# Altium PCB Core.PcbDoc (part 2 of 5)
Units mil, origin at the board's own origin, x right, y up, seen from the top; angles counter-clockwise.
Board outline 1181.1 x 1574.8 mil, 6 copper layers (Top Layer, GND2, SIG3, PWR4, GND5, Bottom Layer), stack 29.356 mil thick; 139 components, 179 nets, 1165 pads, 477 vias.
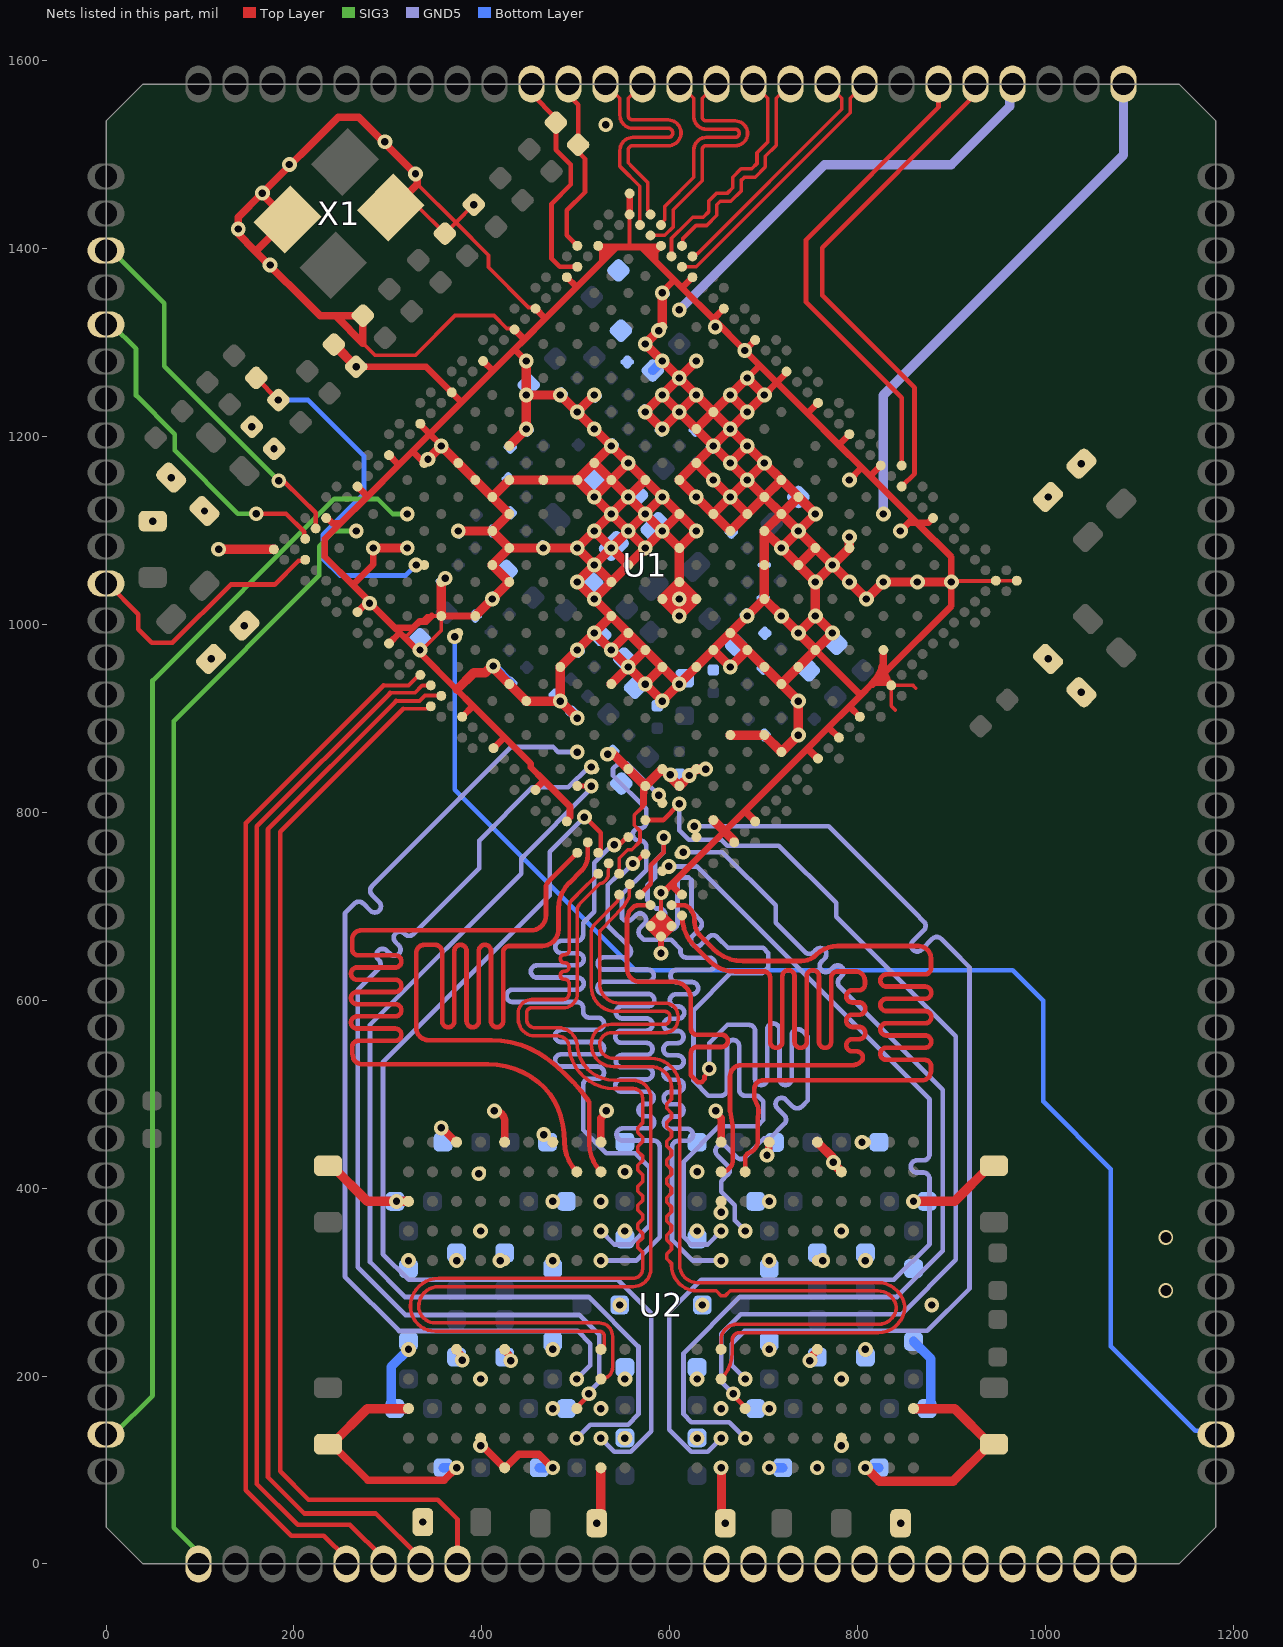
[diagram p6: the nets of this part, all layers, seen from the top]

## Via types
v1: diameter 15.75, hole 7.87, Top Layer to Bottom Layer, tented both sides, 475 vias
v2: diameter 15.75, hole 11.81, Top Layer to Bottom Layer, tented both sides, 2 vias

## Nets (pads, with @x,y where several pads share a name; then routed paths per layer and width w, separated by ;. In a path a pad name is that pad's centre, name@x,y a point inside that pad or via, vN(x,y) a via of type N, cw(c..) or ccw(c..) an arc to the next point about the centre after c; other vN are vias at no path point) (continued)
GND: C1.1 C2.1 C3.1 C4.1 C5.1 C6.1 C7.1 C8.1 C9.2 C10.1 C11.1 C12.1 C13.1 C14.1 C15.1 C16.1 C17.1 C18.2 C19.1 C20.1 C21.1 C22.1 C23.1 C24.2 C25.1 C26.1 C27.1 C28.1 C29.1 C30.1 C31.1 C32.1 C33.1 C34.1 C35.1 C36.1 C37.1 C38.1 C39.1 C40.1 C41.1 C42.1 C43.1 C44.1 C45.1 C46.2 C47.2 C48.2 C49.1 C50.1 C51.1 C52.1 C53.1 C54.1 C55.1 C56.1 C57.2 C58.1 C59.1 C60.1 C61.1 C62.1 C63.1 C64.1 C65.1 C66.1 C67.1 C68.1 C69.1 C70.1 C71.1 C72.1 C73.1 C74.1 C75.1 C76.1 C77.1 C78.1 C79.1 C80.1 C81.1 C82.1 C83.1 C84.1 C85.1 C86.1 C87.1 C88.1 C89.1 C90.1 C91.1 C92.1 C93.1 C94.1 C95.1 C96.1 C97.1 C98.1 C99.1 C100.1 C101.1 C102.1 C103.1 C104.1 C105.1 C106.1 C107.1 C108.1 C109.1 C110.1 C111.1 C112.1 C113.1 C114.1 C115.1 C116.1 C117.1 C118.1 C119.1 C120.1 C121.1 C122.2 pad.71@807.09,0 pad.77 pad.78 pad.79 pad.80 pad.82 pad.83 pad.84 pad.85 pad.86 pad.87 pad.88 R7.2 R15.1 U1.1B10 U1.1B11 U1.1B15 U1.1B19 U1.1C4 U1.1C5 U1.1C6 U1.1C8 U1.1C9 U1.1C14 U1.1C16 U1.1C18 U1.1D1 U1.1D3 U1.1D4 U1.1D10 U1.1D14 U1.1E3 U1.1E8 U1.1E10 U1.1E14 U1.1E15 U1.1E17 U1.1F6 U1.1F7 U1.1F8 U1.1F9 U1.1F10 U1.1F15 U1.1F16 U1.1F20 U1.1G3 U1.1G6 U1.1G7 U1.1G8 U1.1G9 U1.1G10 U1.1G11 U1.1G12 U1.1G14 U1.1G16 U1.1G17 U1.1G18 U1.1G19 U1.1G20 U1.1H1 U1.1H2 U1.1H6 U1.1H11 U1.1H12 U1.1H13 U1.1H17 U1.1J1 U1.1J5 U1.1J6 U1.1J8 U1.1J9 U1.1J11 U1.1J12 U1.1J13 U1.1J16 U1.1J18 U1.1K2 U1.1K3 U1.1K4 U1.1K5 U1.1K6 U1.1K8 U1.1K9 U1.1K11 U1.1K12 U1.1K13 U1.1K14 U1.1K15 U1.1K18 U1.1L3 U1.1L6 U1.1L10 U1.1L11 U1.1L12 U1.1L13 U1.1L14 U1.1L15 U1.1L19 U1.1M3 U1.1M4 U1.1M5 U1.1M6 U1.1M10 U1.1M11 U1.1M12 U1.1M13 U1.1M14 U1.1M15 U1.1M16 U1.1M17 U1.1M18 U1.1M20 U1.1N3 U1.1N4 U1.1N7 U1.1N9 U1.1N10 U1.1N11 U1.1N12 U1.1N17 U1.1P1 U1.1P5 U1.1P6 U1.1P7 U1.1P8 U1.1P9 U1.1P10 U1.1P11 U1.1P12 U1.1P14 U1.1P15 U1.1R3 U1.1R4 U1.1R5 U1.1R6 U1.1R7 U1.1R8 U1.1R9 U1.1R10 U1.1R11 U1.1R12 U1.1R13 U1.1R14 U1.1R15 U1.1T3 U1.1T5 U1.1T7 U1.1T8 U1.1T9 U1.1T10 U1.1T11 U1.1T12 U1.1T13 U1.1T14 U1.1T15 U1.1T16 U1.1T17 U1.1U2 U1.1U12 U1.1U13 U1.1U15 U1.1U17 U1.1V1 U1.1V4 U1.1V7 U1.1V12 U1.1V13 U1.1V18 U1.A1 U1.A2 U1.A38 U1.AA2 U1.AC37 U1.AD2 U1.AE37 U1.AH37 U1.AL37 U1.AP2 U1.AP8 U1.AP13 U1.AP16 U1.AP19 U1.AP22 U1.AP25 U1.AP28 U1.AP31 U1.AP34 U1.AP37 U1.AR1 U1.AR38 U1.B1 U1.B2 U1.B6 U1.B11 U1.B14 U1.B18 U1.B21 U1.B28 U1.B31 U1.D2 U1.E37 U1.H37 U1.J2 U1.L2 U1.L37 U1.P37 U1.U2 U1.U37 U1.W2 U1.Y37 U2.A3 U2.A10 U2.AB3 U2.AB5 U2.AB8 U2.AB10 U2.C1 U2.C5 U2.C8 U2.C12 U2.D2 U2.D4 U2.D9 U2.D11 U2.E1 U2.E5 U2.E8 U2.E12 U2.G1 U2.G3 U2.G5 U2.G8 U2.G10 U2.G12 U2.J1 U2.J3 U2.J10 U2.J12 U2.K2 U2.K4 U2.K9 U2.K11 U2.N2 U2.N4 U2.N9 U2.N11 U2.P1 U2.P3 U2.P10 U2.P12 U2.T1 U2.T3 U2.T5 U2.T8 U2.T10 U2.T12 U2.V1 U2.V5 U2.V8 U2.V12 U2.W2 U2.W4 U2.W9 U2.W11 U2.Y1 U2.Y5 U2.Y8 U2.Y12 X1.2 X1.4 | length 11835.4
  Top Layer w4: 158.48,1397.64 159.94,1397.64 ; v1@165.43,1457.93 v1@165.86,1457.93 ; 245.35,1327.05 245.35,1328.38 ; v1(266.11,1273.98) C1.1@268.37,1273.98 ; 273.26,1299.15 286.17,1286.23 329.31,1286.23 371.46,1328.38 412.84,1328.38 426.41,1314.81 433.39,1314.81 U1.AC37@434.65,1313.54 ; X1.4@303.02,1443.27 305.6,1443.27 307.44,1445.12 331.2,1445.12 C4.1@360.6,1415.72 ; 318.02,985.53 335.42,1002.93 341.2,1008.71 346.5,1008.71 U1.1B15@356.71,1008.71 356.71,993.41 v1@333.43,970.13 ; 331.35,1468.24 372.24,1427.35 ; C4.1@361.84,1415.72 C4.1@360.6,1415.72 ; v1(391.37,1446.49) 372.24,1427.35 ; U1.AE37@456.92,1335.81 455.66,1337.08 449.65,1337.08 406.97,1379.75 406.97,1392.62 372.24,1427.35 ; U1.B6@546.01,734.49 546.01,750.85 555.2,760.04 559.47,760.04 568.28,768.85 568.28,779.91 562.07,786.12 562.07,796.83 570.33,805.08 ; 556.5,1401.44 557.14,1402.08 U1.AP37@557.14,1436.03 ; 569.34,832.27 570.33,831.28 570.33,805.08 ; U1.1C4@573.85,827.75 573.85,819.87 ; U1.1C4@574.22,822.65 574.22,820.24 573.85,819.87 ; U1.B2@590.55,689.95 v1(590.55,714.22) ; 748.48,866.08 cw(c749.65,867.24) 748,867.24 ; 811.87,935.53 802.57,926.24 657.06,780.73 v1(590.55,714.22) ; 817.37,937.73 cw(c778.01,967.2) 815.66,935.57 cw(c778.01,967.2) 814.73,934.49 ; 824.12,946.34 ccw(c820.91,943.13) 822.93,947.2 ; 827.18,955.08 827.18,947.09 827.18,943.28 827.46,943 ccw(c827.46,923.36) 822.44,942.34 ccw(c827.46,923.36) 819.93,941.5 ; 831.53,938.93 820.06,938.93 ccw(c820.06,927.34) 818.97,938.88 ccw(c820.06,927.34) 818.13,938.77 ; 839.84,908.8 835.53,913.11 U1.AD2@835.53,934.93 ; 861.59,931.93 860.61,932.9 858.59,934.93 U1.AD2@835.53,934.93 ; v1(899.57,1044.9) 900.63,1045.96 946.57,1045.96 U1.AP2@946.89,1046.28 U1.AR1@969.16,1046.28 ; C4.1@360.6,1415.72 372.24,1427.35 ; C4.1@360.6,1415.72 372.24,1427.35 ; 570.33,805.08 573.85,808.61 573.85,819.87 ; v1(590.55,714.22) ccw(c590.55,724.9) 598.11,717.35 604.09,723.33 659.28,778.52 681.03,800.28 748,867.24 ; 748,867.24 769.95,889.19 792.2,911.45 808.74,927.98 ccw(c764.2,972.52) 812.78,932.43 ccw(c778.01,967.2) 814.73,934.49 ; 811.9,935.57 cw(c820.06,927.34) 817.27,938.59 ; 811.9,935.57 ccw(c774.89,972.52) 820.91,947.67 ; 811.89,935.56 813.58,937.25 cw(c827.46,923.36) 818.69,940.93 ; 814.73,934.49 cw(c821.76,921.91) 821.76,936.33 829.87,936.33 ; 817.27,938.59 cw(c820.06,927.34) 818.13,938.77 ; 817.27,938.59 ccw(c764.2,972.52) 818.69,940.93 ; 818.13,938.77 ccw(c778,967.21) 819.93,941.5 ; 818.69,940.93 ccw(c764.2,972.52) 822.02,947.54 ; 818.69,940.93 cw(c827.46,923.36) 819.93,941.5 ; 819.93,941.5 ccw(c778,967.21) 822.93,947.2 ; 820.91,947.67 ccw(c774.89,972.52) U1.1P1@827.18,972.52 ; 820.91,947.67 cw(c820.91,943.13) 822.02,947.54 ; 822.02,947.54 ccw(c764.2,972.52) U1.1P1@827.18,972.52 ; 822.02,947.54 cw(c820.91,943.13) 822.93,947.2 ; 822.93,947.2 ccw(c778,967.21) 827.18,967.21 U1.1P1@827.18,972.52 ; 829.87,936.33 U1.AD2@832.16,936.33 ; 829.87,936.33 830,936.2 U1.AD2@833.26,936.2 ; U1.AD2@832.16,936.33 cw(c832.16,931.56) U1.AD2@833.26,936.2 ; U1.AD2@832.16,936.33 cw(c832.16,931.56) U1.AD2@833.26,936.2 ; U1.AD2@833.26,936.2 cw(c832.16,931.56) U1.AD2@835.53,934.93 ; U1.AD2@833.26,936.2 cw(c832.16,931.56) U1.AD2@835.53,934.93 ; U1.AD2@833.26,936.2 834.26,936.2 U1.AD2@835.53,934.93
  Top Layer w6: v1(590.55,649.76) U1.A1@590.55,667.68
  Top Layer w7: U1.E37@234.21,1113.1 235.2,1113.1 240.83,1107.46 249.53,1107.46 ; U1.B31@267.62,1012.88 276.17,1021.43 281.97,1021.43 307.01,996.39 ; U1.H37@267.62,1146.5 278.1,1136.03 ; C1.1@268.37,1273.98 340.58,1273.98 U1.U37@367.84,1246.72 378.32,1236.25 ; v1(280.32,1022.31) 280.32,1024.29 262.75,1041.85 ; v1(284.33,1081.09) 284.33,1063.67 262.75,1042.1 262.75,1041.85 ; U1.B28@301.03,979.47 312.55,990.99 318.02,985.53 333.41,970.13 372.7,930.84 390.5,913.04 ; U1.L37@301.03,1179.91 311.5,1169.44 ; 312.48,990.92 307.01,996.39 ; U1.P37@334.43,1213.32 334.43,1212.62 344.56,1202.5 ; U1.1F20@338.61,1171.56 326.42,1183.75 326.42,1184.36 ; 346.5,1008.71 340.72,1002.93 335.42,1002.93 333.51,1002.93 326.98,996.39 307.01,996.39 ; U1.1B15@356.71,1008.71 U1.1C14@392.9,1008.71 ; v1(356.71,1189.66) 356.71,1190.35 344.56,1202.5 ; U1.B21@378.98,901.52 390.5,913.04 ; U1.Y37@401.25,1280.13 411.72,1269.66 ; U1.B18@412.38,868.12 423.9,879.64 ; U1.AC37@434.65,1313.54 445.13,1303.06 ; v1(447.18,1280.14) v1(447.18,1280.14) 434.65,1292.59 ; U1.B14@456.92,823.57 456.92,824.56 466.01,833.64 ; U1.AE37@456.92,1335.81 467.4,1325.33 ; U1.B11@490.33,790.17 490.33,791.15 493.66,794.48 493.66,805.99 466.01,833.64 ; U1.AH37@490.33,1369.21 500.81,1358.74 ; U1.AP37@557.14,1436.03 U1.AR38@557.14,1458.3 ; U1.AP34@590.55,1402.62 U1.AP34@590.06,1402.62 ; v1(591.95,1352.52) 591.95,1353.5 604.69,1366.25 ; 604.09,723.33 604.09,719.84 609.9,714.03 610.02,714.03 611.84,712.22 U1.D2@612.82,712.22 ; U1.AP31@623.96,1369.21 612.84,1358.1 ; U1.AP28@657.36,1335.81 646.25,1324.69 ; v1(682.42,1262.04) 694.62,1274.24 696.71,1274.24 ; U1.AP25@690.77,1302.4 v1(679.64,1291.29) ; v1(700.52,1243.95) 713.76,1257.18 ; U1.AP22@724.18,1268.99 724.06,1268.87 724.06,1267.48 713.76,1257.18 ; U1.1M3@754.8,972.52 801.08,926.24 802.57,926.24 ; U1.AP19@757.58,1235.59 746.55,1224.55 746.39,1224.55 ; 769.95,889.16 U1.W2@779.85,879.25 ; v1(790.99,1153.47) 804.14,1166.61 804.14,1166.81 ; U1.AP16@790.99,1202.18 780.73,1191.92 779.02,1191.92 ; 792.2,911.45 U1.AA2@802.13,901.52 ; 813.3,1157.68 U1.AP13@824.4,1168.78 ; 815.66,935.57 818.97,938.88 822.44,942.34 825.28,945.19 827.18,947.09 828.08,947.99 899.57,1019.47 v1(899.57,1044.9) 899.57,1071.38 863.1,1107.84 ; v1(845.28,1099.18) 845.28,1099.35 853.77,1107.84 ; U1.AP8@880.07,1113.1 879.9,1113.1 874.64,1107.84 863.1,1107.84 ; 249.53,1107.46 232.73,1090.66 232.73,1071.88 262.75,1041.85 ; 249.53,1107.46 278.1,1136.03 ; 278.1,1136.03 311.5,1169.44 ; 311.5,1169.44 326.42,1184.36 ; 326.42,1184.36 344.56,1202.5 ; 344.56,1202.5 378.32,1236.25 ; 378.32,1236.25 411.72,1269.66 ; 390.5,913.04 390.88,912.66 423.9,879.64 ; 411.72,1269.66 434.65,1292.59 ; 423.9,879.64 451.9,851.64 451.9,847.75 466.01,833.64 ; 434.65,1292.59 445.13,1303.06 ; 445.13,1303.06 467.4,1325.33 ; 467.4,1325.33 500.81,1358.74 ; 500.81,1358.74 528.06,1385.99 ; 528.06,1385.99 534.75,1392.68 ; 528.06,1385.99 528.06,1397.32 523.74,1401.64 U1.AL37@523.74,1402.62 524.43,1401.93 527,1401.93 527.48,1401.44 537.66,1401.44 ; 534.75,1392.68 543.51,1401.44 ; 534.75,1392.68 534.75,1398.53 537.66,1401.44 ; 537.66,1401.44 543.51,1401.44 ; 543.51,1401.44 556.5,1401.44 569.5,1401.44 ; 569.5,1401.44 577.59,1401.44 ; 569.5,1401.44 584.14,1386.8 ; 577.59,1401.44 588.39,1401.44 589.57,1402.62 U1.AP34@590.06,1402.62 ; 577.59,1401.44 584.14,1394.89 ; 584.14,1386.8 584.14,1394.89 ; 584.14,1386.8 604.69,1366.25 ; 584.14,1394.89 584.14,1396.71 U1.AP34@590.06,1402.62 ; 604.69,1366.25 612.84,1358.1 ; 612.84,1358.1 646.25,1324.69 ; 646.25,1324.69 v1(679.64,1291.29) ; v1(679.64,1291.29) 696.71,1274.24 ; 696.71,1274.24 713.76,1257.18 ; 713.76,1257.18 746.39,1224.55 ; 746.39,1224.55 779.02,1191.92 ; 779.02,1191.92 804.14,1166.81 ; 804.14,1166.81 813.3,1157.64 858.37,1112.57 ; 853.77,1107.84 858.37,1112.44 858.37,1112.57 ; 853.77,1107.84 863.1,1107.84 ; 858.37,1112.57 863.1,1107.84
  Top Layer w8: 159.94,1397.64 X1.2@193.05,1430.74 v1@165.86,1457.93 ; C59.1@236.22,127.48 240.22,127.48 278.74,88.96 359.63,88.96 v1(373.03,102.36) ; 245.35,1327.05 273.26,1299.15 C3.1@273.26,1328.38 245.35,1328.38 227.74,1328.38 158.48,1397.64 140.71,1415.4 140.71,1433.22 165.43,1457.93 247.06,1539.56 268.93,1539.56 331.35,1477.14 331.35,1468.24 306.37,1443.27 X1.4@303.02,1443.27 ; v1(356.66,464.06) 357.22,464.06 372.46,448.82 U2.Y1@373.03,448.82 U2.Y1@372.87,448.98 ; U2.Y8@373.03,228.35 373.03,227.31 377.57,222.78 377.57,218.36 v1(379.05,216.87) ; v1(398.62,125.98) 400.1,125.98 423.72,102.36 U2.V12@424.21,102.36 424.7,102.36 439.11,116.77 460.5,116.77 474.9,102.36 v1(475.39,102.36) ; v1(413.27,482.09) cw(c413.27,471.15) 424.21,471.15 U2.V1@424.21,448.82 ; U2.V8@424.21,228.35 424.21,227.31 429.24,222.29 429.24,217.69 v1(430.72,216.21) ; U2.P1@526.57,449.05 526.57,474.41 532.39,480.22 v1(532.39,482.32) ; v1(648.72,482.09) 648.72,479.99 654.53,474.18 U2.J1@654.53,448.82 U2.J1@654.53,448.59 ; 681.03,800.28 681.03,799.91 U1.L2@690.77,790.17 ; v1(703.38,434.98) 703.38,437.08 704.98,438.68 704.98,447.86 U2.G1@705.71,448.59 ; 748.48,866.08 U1.U2@757.58,856.98 ; v1(748.94,216.41) 750.43,217.9 750.43,220.85 756.89,227.31 U2.E8@756.89,228.35 ; v1(804.39,448.74) 807.99,448.74 U2.C1@808.07,448.82 ; 824.12,946.34 825.28,945.19 827.18,943.28 ; U1.1P1@827.18,967.21 827.18,955.08 ccw(c855.69,955.08) 828.08,947.99 ccw(c855.69,955.08) U1.AD2@835.53,934.93 ; 827.46,943 831.53,938.93 U1.AD2@834.26,936.2
  Top Layer w10: v1(119.77,1079.69) U1.A38@178.54,1079.69 ; C58.1@236.22,423.7 240.22,423.7 278.09,385.83 v1(309.08,385.83) U2.AB3@321.85,385.83 ; C59.1@240.22,127.48 278.09,165.35 U2.AB10@321.85,165.35 ; R15.1@242.49,1297.61 v1(266.11,1273.98) ; v1(284.33,1081.09) v1(320.52,1081.09) ; U1.1F20@338.61,1171.56 v1(356.71,1189.66) U1.1G19@374.8,1171.56 U1.1G18@392.9,1153.47 U1.1G17@410.99,1135.37 ; U1.1B15@356.71,1008.71 U1.1C16@356.71,1044.9 ; 373.73,930.84 391.12,948.23 403.39,948.23 410.7,955.55 v1(412.12,955.55) 413.22,954.45 413.22,952.2 U1.1B11@429.09,936.33 U1.1B10@447.18,918.23 v1(483.37,918.23) ; v1(374.8,1099.18) U1.1F16@410.99,1099.18 ; U1.1C14@392.9,1008.71 v1(410.99,1026.8) U1.1E14@429.09,1044.9 U1.1E15@410.99,1062.99 U1.1F15@429.09,1081.09 ; U1.1J18@429.09,1189.66 v1(447.18,1207.75) v1(447.18,1243.95) ; v1(447.18,1280.14) v1(447.18,1243.95) ; v1(501.47,900.13) v1(483.37,918.23) ; v1(519.56,1243.95) v1(501.47,1225.85) ; v1(522.13,43.31) 526.23,47.41 526.23,102.02 U2.P12@526.57,102.36 ; U1.1C6@537.66,863.94 U1.1C5@555.76,845.85 569.34,832.27 ; U1.1E8@537.66,936.33 v1(555.76,954.42) ; U1.1C4@570.33,831.28 U1.1C4@573.85,827.75 U1.1D4@591.95,845.85 598.73,839.06 U1.1D3@610.04,827.75 ; v1(573.85,936.33) U1.1G7@591.95,954.42 ; v1(591.95,1352.52) U1.1U17@591.95,1316.33 v1(573.85,1298.23) v1(591.95,1280.14) v1(610.04,1262.04) ; U1.1D3@610.16,827.87 620.5,838.21 v1(620.5,839.06) 621.18,839.06 627.97,845.85 v1(638.03,845.85) ; v1(628.14,1243.95) v1(610.04,1225.85) ; v1(628.14,1280.13) v1(610.04,1262.04) ; U1.1D1@646.23,791.56 657.06,780.73 659.28,778.52 667.51,770.28 cw(c665.12,767.9) U1.J2@668.5,767.9 ; v1(654.53,102.36) 654.87,102.02 654.87,47.41 v1(658.98,43.31) ; U1.1G3@664.33,882.04 U1.1H2@700.52,882.04 U1.1H1@718.61,863.94 v1(736.71,882.04) v1(736.71,918.23) U1.1K3@718.61,936.33 ; U1.1V13@682.59,1262.04 v1(682.42,1262.04) ; U2.E1@756.89,448.82 772.88,432.83 772.88,428.38 v1(773.98,427.28) ; v1@773.25,426.55 U2.D2@782.48,417.32 ; v1(790.99,1092.76) U1.1T5@790.99,1081.09 v1(772.9,1062.99) ; v1(808.07,102.36) 808.56,102.36 822.97,87.96 901.36,87.96 C79.1@940.88,127.48 ; U2.A10@859.25,165.35 903.01,165.35 C79.1@940.88,127.48 ; v1(859.25,385.83) 903.01,385.83 940.88,423.7 C78.1@944.88,423.7 ; v1(899.57,1044.9) v1(863.38,1044.9) v1(827.18,1044.9) v1(809.09,1026.8) v1(790.99,1044.9) v1(772.9,1062.99) ; C79.1@944.88,127.48 C79.1@940.88,127.48 ; U1.1F16@410.99,1099.18 U1.1F15@429.09,1081.09 ; U1.1F16@410.99,1099.18 U1.1G16@429.09,1117.28 U1.1G17@410.99,1135.37 ; U1.1G17@410.99,1135.37 U1.1H17@429.09,1153.47 U1.1J16@465.28,1153.47 U1.1K15@501.47,1153.47 ; U1.1F15@429.09,1081.09 v1(501.47,1081.09) ; v1(447.18,1243.95) v1(483.37,1243.95) v1(501.47,1225.85) ; v1(483.37,918.23) U1.1D10@483.37,954.42 v1(501.47,972.52) v1(519.56,990.61) ; v1(501.47,1081.09) v1(519.56,1099.18) ; v1(501.47,1081.09) v1(519.56,1062.99) ; U1.1K15@501.47,1153.47 U1.1L15@519.56,1171.56 ; U1.1K15@501.47,1153.47 v1(519.56,1135.37) ; v1(501.47,1225.85) v1(537.66,1189.66) ; v1(519.56,990.61) v1(537.66,972.52) ; v1(519.56,990.61) U1.1G10@537.66,1008.71 ; v1(519.56,1026.8) U1.1H11@537.66,1044.9 ; v1(519.56,1026.8) v1(501.47,1044.9) v1(519.56,1062.99) ; v1(519.56,1026.8) U1.1G10@537.66,1008.71 ; v1(519.56,1062.99) U1.1H11@537.66,1044.9 ; v1(519.56,1062.99) v1(537.66,1081.09) ; v1(519.56,1099.18) v1(537.66,1081.09) ; v1(519.56,1099.18) v1(537.66,1117.28) ; v1(519.56,1135.37) v1(537.66,1117.28) ; v1(519.56,1135.37) U1.1L14@537.66,1153.47 ; U1.1L15@519.56,1171.56 U1.1L14@537.66,1153.47 ; U1.1L15@519.56,1171.56 v1(537.66,1189.66) ; v1(537.66,972.52) v1(555.76,954.42) ; v1(537.66,972.52) U1.1G9@555.76,990.61 ; U1.1G10@537.66,1008.71 U1.1G9@555.76,990.61 ; U1.1H11@537.66,1044.9 U1.1J11@555.76,1062.99 ; v1(537.66,1081.09) U1.1J11@555.76,1062.99 ; v1(537.66,1081.09) v1(555.76,1099.18) ; v1(537.66,1117.28) v1(555.76,1135.37) ; v1(537.66,1117.28) v1(555.76,1099.18) ; U1.1L14@537.66,1153.47 v1(555.76,1171.56) ; U1.1L14@537.66,1153.47 v1(555.76,1135.37) ; v1(537.66,1189.66) v1(555.76,1171.56) ; v1(555.76,954.42) v1(591.95,918.23) v1(610.04,936.33) ; v1(555.76,954.42) U1.1G8@573.85,972.52 ; U1.1G9@555.76,990.61 U1.1G8@573.85,972.52 ; U1.1J11@555.76,1062.99 v1(573.85,1081.09) ; v1(555.76,1099.18) v1(573.85,1081.09) ; v1(555.76,1099.18) v1(573.85,1117.28) ; v1(555.76,1135.37) v1(573.85,1117.28) ; v1(555.76,1135.37) U1.1M13@573.85,1153.47 ; v1(555.76,1171.56) U1.1M13@573.85,1153.47 ; U1.1G8@573.85,972.52 U1.1G7@591.95,954.42 ; v1(573.85,1081.09) v1(591.95,1099.18) ; v1(573.85,1117.28) v1(591.95,1135.37) ; v1(573.85,1117.28) v1(591.95,1099.18) ; U1.1M13@573.85,1153.47 v1(591.95,1135.37) ; U1.A1@590.55,667.68 U1.B1@601.69,678.81 U1.B2@590.55,689.95 ; U1.A1@590.55,667.68 U1.A2@579.42,678.81 U1.B2@590.55,689.95 ; U1.A1@590.55,667.68 U1.B2@590.55,689.95 ; U1.1G7@591.95,954.42 v1(610.04,936.33) ; U1.1J9@591.95,1026.8 v1(610.04,1008.71) ; U1.1J9@591.95,1026.8 U1.1K9@610.04,1044.9 ; U1.1J9@591.95,1026.8 v1(610.04,1026.8) ; v1(591.95,1099.18) U1.1L10@610.04,1081.09 ; v1(591.95,1099.18) U1.1M11@610.04,1117.28 ; v1(591.95,1135.37) U1.1M11@610.04,1117.28 ; v1(591.95,1243.95) v1(610.04,1225.85) ; v1(591.95,1243.95) v1(610.04,1262.04) ; v1(591.95,1243.95) v1(573.85,1225.85) v1(591.95,1207.75) v1(610.04,1225.85) ; v1(610.04,936.33) U1.1H6@628.14,954.42 U1.1J6@646.23,972.52 ; v1(610.04,1008.71) U1.1K8@628.14,1026.8 ; v1(610.04,1008.71) v1(610.04,1026.8) ; v1(610.04,1026.8) U1.1K9@610.04,1044.9 ; v1(610.04,1026.8) U1.1K8@628.14,1026.8 ; U1.1K9@610.04,1044.9 U1.1K8@628.14,1026.8 ; U1.1K9@610.04,1044.9 U1.1L10@610.04,1081.09 ; U1.1L10@610.04,1081.09 v1(628.14,1099.18) U1.1M11@610.04,1117.28 ; v1(610.04,1225.85) U1.1R13@628.14,1207.75 ; v1(610.04,1262.04) U1.1T13@646.23,1225.85 ; U1.1P12@628.14,1171.56 v1(646.23,1153.47) v1(664.33,1135.37) ; U1.1P12@628.14,1171.56 U1.1N12@610.04,1153.47 v1(628.14,1135.37) U1.1N10@646.23,1117.28 ; U1.1P12@628.14,1171.56 v1(646.23,1189.66) ; U1.1R13@628.14,1207.75 v1(646.23,1189.66) ; U1.1R13@628.14,1207.75 U1.1T13@646.23,1225.85 ; U1.1J6@646.23,972.52 v1(664.33,954.42) U1.1K5@682.42,972.52 ; U1.1J6@646.23,972.52 U1.1K6@664.33,990.61 ; U1.1N10@646.23,1117.28 v1(664.33,1135.37) ; U1.1N10@646.23,1117.28 U1.1N9@664.33,1099.18 U1.1P9@682.42,1117.28 ; v1(646.23,1189.66) v1(664.33,1207.75) ; v1(646.23,1189.66) v1(664.33,1171.56) ; U1.1T13@646.23,1225.85 v1(664.33,1243.95) ; U1.1T13@646.23,1225.85 v1(664.33,1207.75) ; U1.1K6@664.33,990.61 U1.1K5@682.42,972.52 ; U1.1K6@664.33,990.61 v1(682.42,1008.71) U1.1M6@700.52,1026.8 ; v1(664.33,1135.37) U1.1P9@682.42,1117.28 ; v1(664.33,1135.37) v1(682.42,1153.47) ; v1(664.33,1171.56) v1(682.42,1153.47) ; v1(664.33,1171.56) v1(682.42,1189.66) ; v1(664.33,1207.75) v1(682.42,1225.85) ; v1(664.33,1207.75) v1(682.42,1189.66) ; v1(664.33,1243.95) v1(682.42,1225.85) ; v1(664.33,1243.95) v1(682.42,1262.04) ; U1.1K5@682.42,972.52 U1.1K3@718.61,936.33 ; U1.1P9@682.42,1117.28 U1.1R9@700.52,1135.37 ; v1(682.42,1153.47) U1.1R9@700.52,1135.37 ; v1(682.42,1153.47) v1(700.52,1171.56) ; v1(682.42,1189.66) v1(700.52,1171.56) ; v1(682.42,1225.85) v1(700.52,1243.95) v1(682.42,1262.04) ; U1.1M6@700.52,1026.8 v1(718.61,1008.71) v1(736.71,990.61) ; U1.1M6@700.52,1026.8 U1.1N7@700.52,1062.99 U1.1P8@700.52,1099.18 ; U1.1P8@700.52,1099.18 U1.1R8@718.61,1117.28 ; U1.1P8@700.52,1099.18 v1(718.61,1081.09) ; U1.1R9@700.52,1135.37 U1.1T9@718.61,1153.47 ; U1.1R9@700.52,1135.37 U1.1R8@718.61,1117.28 ; v1(700.52,1171.56) U1.1T9@718.61,1153.47 ; U1.1K3@718.61,936.33 U1.1M3@754.8,972.52 ; v1(718.61,1081.09) v1(736.71,1099.18) ; v1(718.61,1081.09) U1.1P6@736.71,1062.99 ; U1.1R8@718.61,1117.28 v1(736.71,1099.18) ; U1.1R8@718.61,1117.28 U1.1T8@736.71,1135.37 ; U1.1T9@718.61,1153.47 U1.1T8@736.71,1135.37 ; v1(736.71,990.61) U1.1M3@754.8,972.52 ; v1(736.71,990.61) v1(754.8,1008.71) ; U1.1P6@736.71,1062.99 U1.1R6@754.8,1081.09 ; U1.1P6@736.71,1062.99 v1(754.8,1044.9) ; v1(736.71,1099.18) v1(754.8,1117.28) U1.1T8@736.71,1135.37 ; v1(736.71,1099.18) U1.1R6@754.8,1081.09 ; U1.1M3@754.8,972.52 v1(772.9,990.61) v1(754.8,1008.71) ; v1(754.8,1008.71) v1(754.8,1044.9) ; v1(754.8,1044.9) v1(772.9,1062.99) ; U1.1R6@754.8,1081.09 v1(772.9,1062.99)
  Bottom Layer w10: C92.1@307.44,165.35 303.35,169.44 303.35,209.85 v1(321.85,228.35) ; C90.1@358.62,102.36 v1(373.03,102.36) ; v1(412.12,955.55) C105.1@430.75,936.98 ; C88.1@460.98,102.36 v1(475.39,102.36) ; R7.2@581.76,1269.95 v1(591.95,1280.14) ; v1(705.71,102.36) C89.1@720.12,102.36 ; v1(808.07,102.36) C87.1@822.48,102.36 ; C69.1@859.25,236.85 877.75,218.35 877.75,169.44 C91.1@873.66,165.35
  other v1: 845.47,43.31 337.17,44.6 756.89,102.36 782.48,125.98 552.16,133.86 628.94,133.86 475.39,165.35 526.57,165.35 654.53,165.35 705.71,165.35 398.62,196.85 552.16,196.85 628.94,196.85 782.48,196.85 475.39,228.35 705.71,228.35 808.07,228.35 546.57,275.59 634.53,275.59 878.72,275.57 321.85,322.83 373.03,322.83 419.29,322.83 475.39,322.83 705.71,322.83 762.7,322.83 808.07,322.83 398.62,354.33 552.16,354.33 628.94,354.33 782.48,354.33 654.53,374.11 475.39,385.83 526.57,385.83 705.71,385.83 396.5,415.21 552.16,417.32 628.94,417.32 465.71,456.83 600.55,839.75 533.71,861.62 1037.84,927.61 111.76,963.04 1002.41,963.04 334.1,972.52 147.2,998.47 360.92,1048.91 465.28,1081.09 49.65,1109.69 104.77,1120.52 1002.41,1135.39 69.34,1155.95 1037.84,1170.82 342.56,1175.51 178.77,1186.65 519.56,1207.75 155.15,1210.27 587.99,1312.4 648.27,1316.33 174.59,1382.25 140.71,1420.59 166.4,1458.81 329.31,1479.17 195.11,1489.21 296.73,1513.4 531.76,1531.5